# Altium PCB Weather_Station_ETH_HERMETIC.PcbDoc (part 1 of 5) (continued)
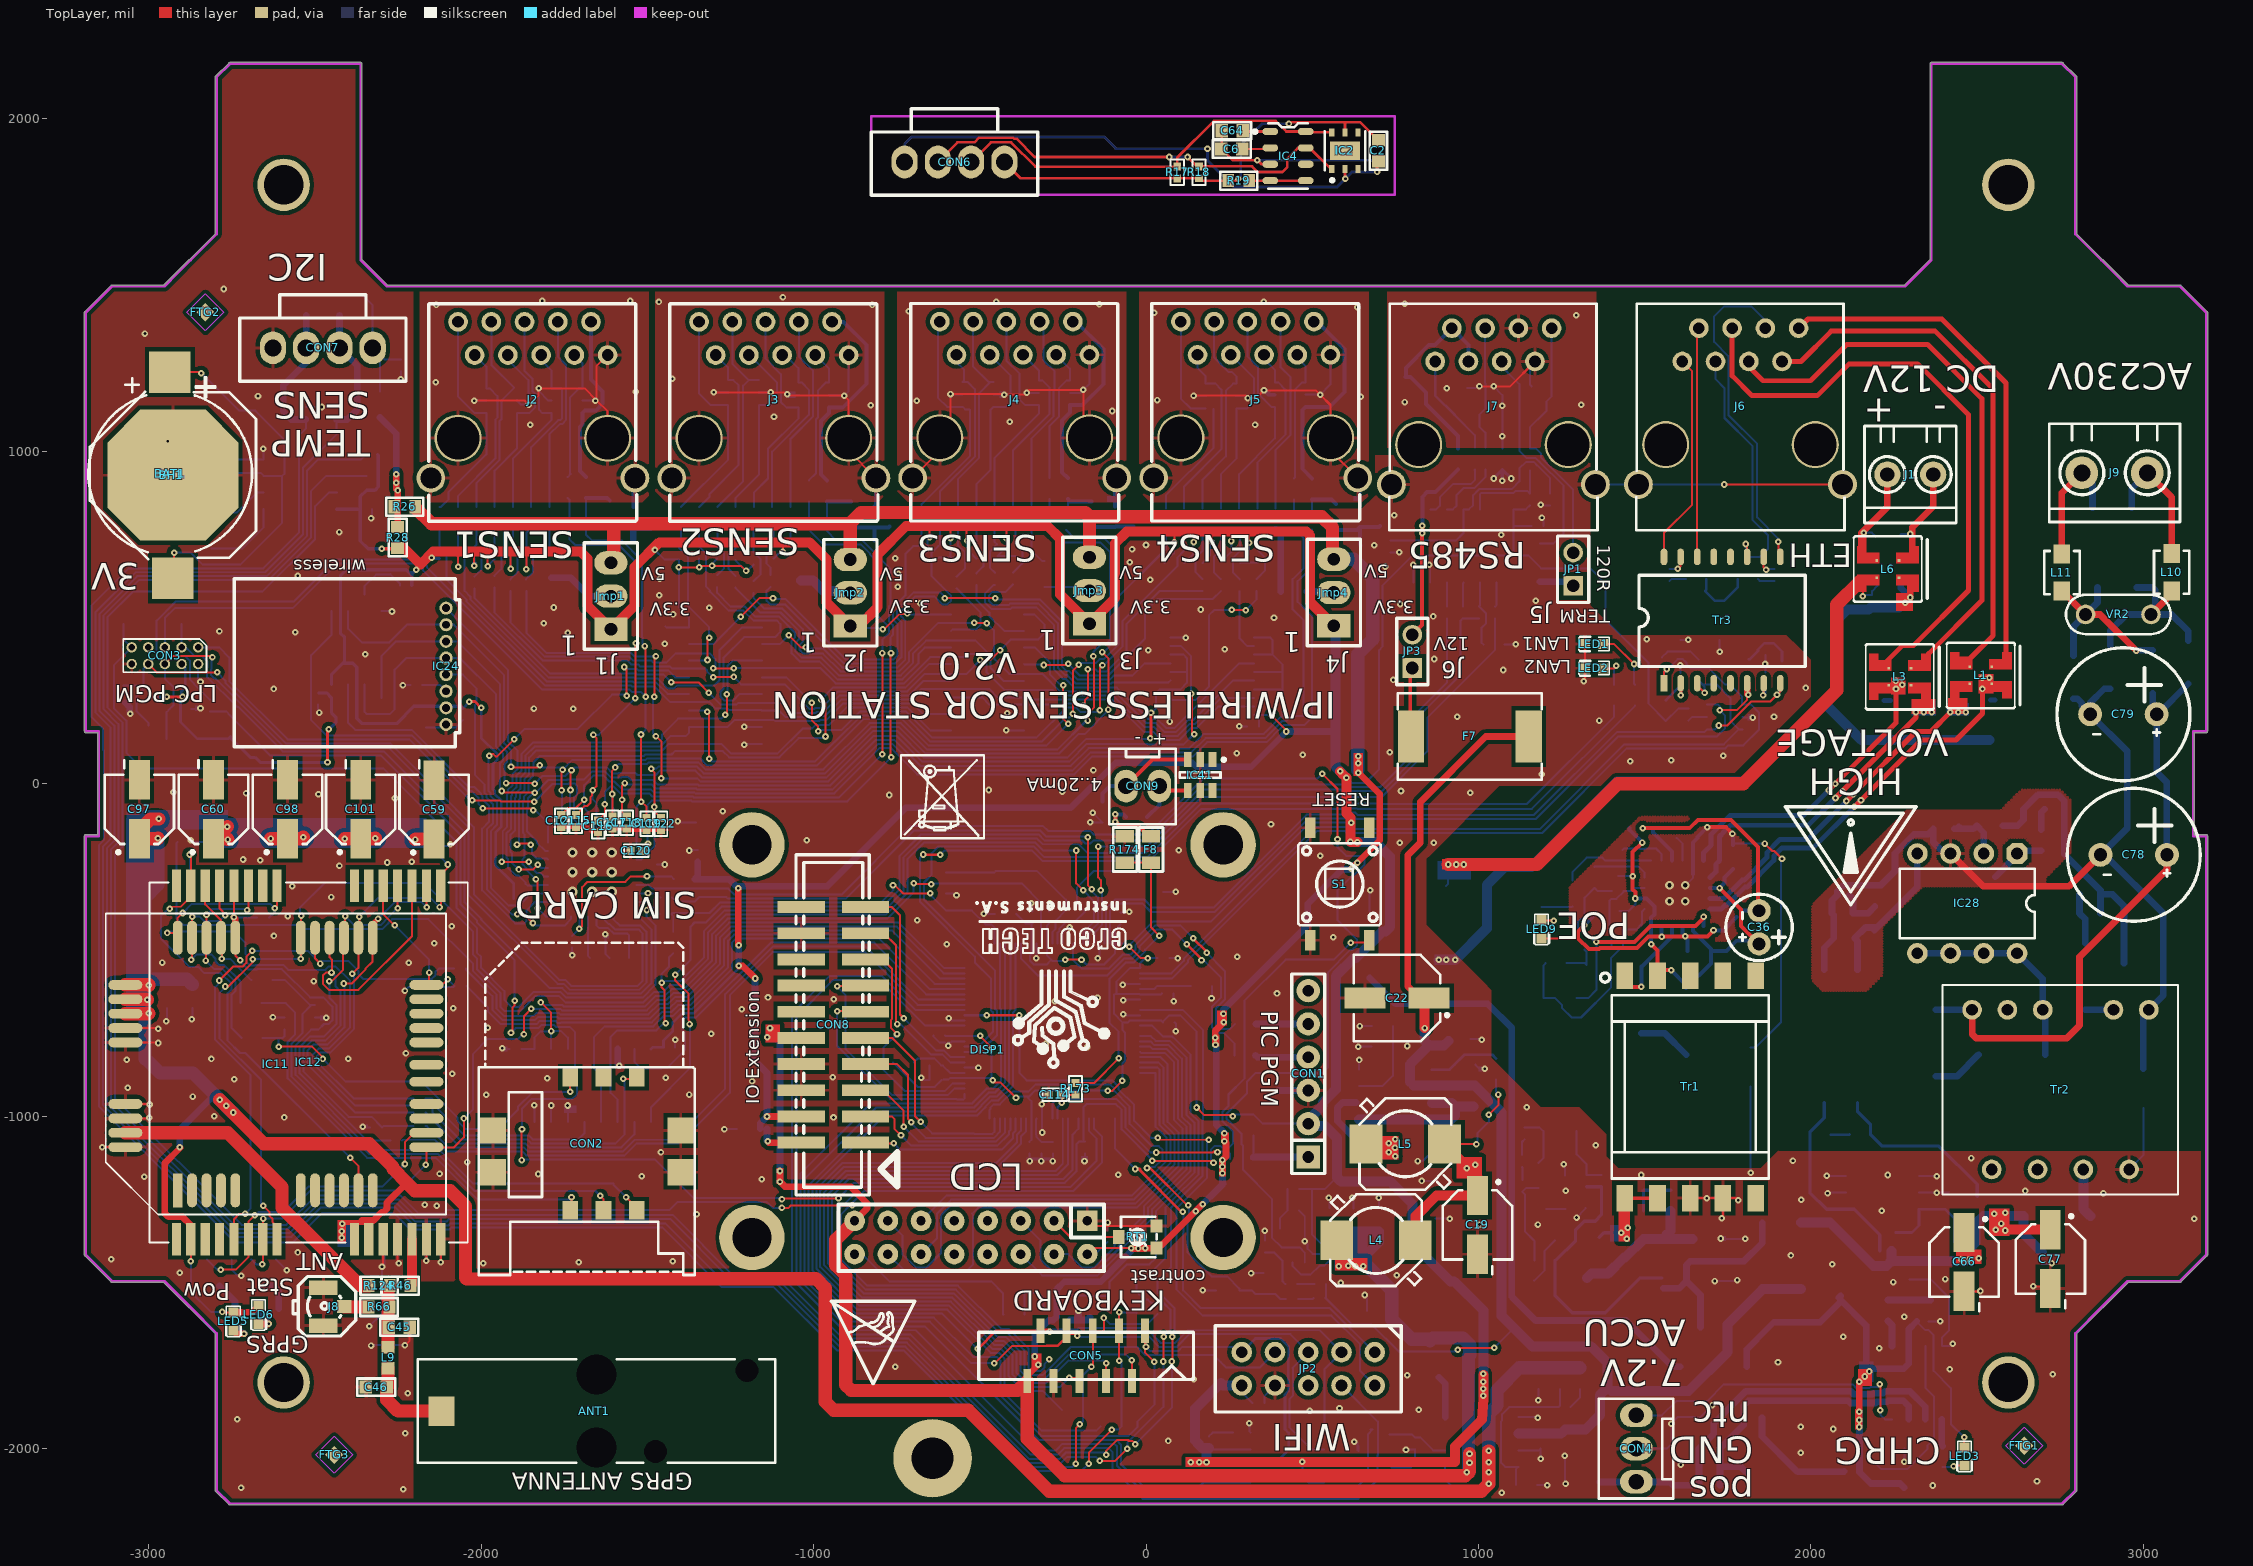
[diagram p0: TopLayer view]
## Components (designator, comment, footprint, x,y, rotation, side; value= is the part's Value field where it differs from the comment) (continued)
FB40 "100R/1A" 0603L 390,796.5 r270 bottom
FB41 "100R/1A" 0603L 445,886.5 r270 bottom
FB42 "100R/1A" 0603L 500,886.5 r270 bottom
FB43 "100R/1A" 0603L 643,803 r270 bottom
FB44 "100R/1A" 0603L 1072,976 r90 bottom
FB45 "100R/1A" 0603L 939,977 r90 bottom
FB46 "100R/1A" 0603L -28,-100 r180 bottom
FB47 "100R/1A" 0603L -131,-85 r270 bottom
FTG1 "Use only in PCB" FIDUCIAL_TOP_S100-200 2642,-1991 r90 top
FTG2 "Use only in PCB" FIDUCIAL_TOP_S100-200 -2829,1418 r90 top
FTG3 "Use only in PCB" FIDUCIAL_TOP_S100-200 -2442,-2019 r90 top
FTG4 "Use only in PCB" FIDUCIAL_TOP_S100-200 2629,-2004 r270 bottom
FTG5 "Use only in PCB" FIDUCIAL_TOP_S100-200 -2484,-2002 r270 bottom
FTG6 "Use only in PCB" FIDUCIAL_TOP_S100-200 -2671,1626 r270 bottom
IC1 "PIC18F97J60-I/PT" lqfp100_12x12mm -92.93,-1007.6 r270 bottom
IC2 "SHT25" SENSIRION_SHT2X 598.37,1903.88 r270 top
IC3 "S1117-3.3D" TO-252 665,-1586 r90 bottom
IC4 "MPL115A2" LGA8 427.15,1887.82 r0 top
IC5 "TLV431ASN1T1" SOT-23 1180,-1216 r90 bottom
IC6 "74HC4052D" SO-16 -1155,470 r180 bottom
IC7 "SN74HC244PWR" tssop20 73,206 r0 bottom
IC8 "74HC4052D" SO-16 -366.26,509.37 r180 bottom
IC9 "PESD3V3S4UD" SOT457 -1741.33,1152.01 r0 bottom
IC10 "PESD3V3S4UD" SOT457 -1938.18,1152.01 r0 bottom
IC11 "nm Quectel M95" "QUECTEL M95" -2617.24,-843.31 r90 top
IC12 "Quectel M72" "Quectel M72 GSM Module" -2518.9,-838.5 r270 top locked
IC13 "PESD3V3S4UD" SOT457 -999.36,1169.33 r0 bottom
IC14 "LPC1114FHN33" HVQFN33_QFN127P600-8N -1666,-266 r90 bottom
IC15 "SP3076EEN-L" SO-14 1105,605 r90 bottom
IC16 "EN25F16" SO-8 -2450,519 r270 bottom
IC17 "PESD3V3S4UD" SOT457 -1210.62,1176.73 r0 bottom
IC18 "PESD3V3S4UD" SOT457 -275,1175.87 r0 bottom
IC19 "nm EN25F16" SO-8L 261,-2102 r0 bottom
IC20 "EN25F16" SO-8 315,-2102 r0 bottom
IC21 "MCP79411-I/SN" SO-8 -2654.14,825.78 r0 bottom
IC22 "MCP6546RT-E/OT" SOT23-5 440,-1389 r90 bottom
IC23 "SM712" SOT-23 1003,1110 r180 bottom
IC24 "RFM70-D" RFM70-D -2105.32,178.1 r90 top locked
IC25 "SM712" SOT-23 1198,1115 r180 bottom
IC26 "nmEN25F16" SO-8L -2450,569.17 r270 bottom
IC27 "NCP3170ADR2G" so-8 1120,-1905 r180 bottom
IC28 "VIPER20ADIP-E" DIP-8 2620,-210 r270 top locked
IC29 "LTV817S-SMD" SOP_4 2140,-960 r90 bottom
IC30 "TL431D" SO-8 2105,-1280 r0 bottom
IC31 "PESD3V3S4UD" SOT457 -505,1170.87 r0 bottom
IC32 "PESD3V3S4UD" SOT457 433.74,1170 r0 bottom
IC33 "PESD3V3S4UD" SOT457 225.74,1166 r0 bottom
IC34 "SFH6106-4" SOP_4 1295,-1045 r90 bottom
IC35 "Si3402-A-GM" QFN20 1598.25,-329.57 r0 bottom
IC36 "PESD3V3S4UD" SOT457 -2545.74,-702.6 r0 bottom
IC37 "WWS05-4RUL" SOT23-6 1741,201 r180 bottom
IC38 "LTC4002ES8-8.4#PBF" SO-8 2244,-1692 r270 bottom
IC39 "PESD3V3S4UD" SOT457 -2481,1133 r180 bottom
IC40 "HC4053D" SO-16 -1489,-1018 r90 bottom
IC41 "PESD3V3S4UD" SOT457 163,26 r270 top
J1 "TB3502s" tbx3502s 2230,930 r0 top locked
J2 "TJACKP10P10C06Z" TJACKP10P10C06Z -2069.36,1039.33 r0 top locked
J3 "TJACKP10P10C06Z" TJACKP10P10C06Z -1344.36,1039.33 r0 top locked
J4 "TJACKP10P10C06Z" TJACKP10P10C06Z -620,1040 r0 top locked
J5 "TJACKP10P10C06Z" TJACKP10P10C06Z 105,1040 r0 top locked
J6 "TJACKP8P8CS06 or 95623-2881" ETH_VERT_95623-2881 1563.11,1020.08 r0 top locked
J7 "TJACKP8P8CS06 or 95623-2881" ETH_VERT_95623-2881 820,1020 r0 top locked
J8 "U.FL-R-SMT-1(10)" CON_UFL_HIROSE_RECEPTACLE -2475,-1630 r270 top locked
J9 "TB5002s" tb5002s 2815,935 r0 top locked
Jmp1 "JUMP3" jump3 -1609.36,464.33 r180 top locked
Jmp2 "JUMP3" jump3 -889.36,474.33 r180 top locked
Jmp3 "JUMP3" jump3 -170,480.87 r180 top locked
Jmp4 "JUMP3" jump3 565,475 r180 top locked
JP1 "1798942 (goldpin 2x 2.54)" jump 1285,595 r180 top locked
JP2 "PLD10S-2" HEADER5X2 688,-1710 r270 top locked
JP3 "1798942 (goldpin 2x 2.54)" jump 801,348 r180 top
L1 "DLW5BTN102SQ2" DLW5BT 2511.04,325.83 r270 top
L2 "DLCSN042C-4R7M" L_DLCSN042C 1324.59,-1512 r0 bottom
L3 "DLW5BTN102SQ2" DLW5BT 2267.57,321.43 r270 top
L4 "DLCSS075F-470M" choke_DLSD75 691.89,-1373 r180 top
L5 "DLCSS075F-470M" choke_DLSD75 780,-1084 r0 top
L6 "DLW5BTN102SQ2" DLW5BT 2231.54,645.59 r270 top locked
L7 "DLSCM0805-181M" DLSCM0805 1139,975 r90 bottom
L8 "DLSCM0805-181M" DLSCM0805 1005,978 r90 bottom
L9 "0R" INDC1608X100N -2280,-1726.5 r270 top
L10 "DLCF1210-470" DLCF1210 3085,636.1 r270 top
L11 "DLCF1210-470" DLCF1210 2755,635 r270 top
L12 "DLCSN042C-4R7M" L_DLCSN042C 880.59,-1785 r0 bottom
L13 "DLCSN042C-470M or SDE6603-470M" L_DLCSN042C 2029.41,-2070 r180 bottom
LED1 "LED0603-P-GYW120 or LGQ971" led_0603G 1320,420 r0 top
LED2 "LED0603-P-YW120 or LYQ971-Z" led_0603B 1320,347 r0 top
LED3 "LED0603-P-RW120 or LYN971-Z" led_0603R 2462,-2051 r90 top
LED5 "LED0603-P-GYW120 or LGQ971" led_0603G -2745,-1645 r90 top
LED6 "LED0603-P-GYW120 or LGQ971" led_0603G -2669,-1625 r90 top
LED9 "LED0603-P-RW120 or LYN971-Z" led_0603R 1190,-465 r90 top
Q1 "TSM2307CX" sot-23 2180,-2030 r270 bottom
Q2 "BSS138" SOT-23 -229,-1540 r270 bottom
Q3 "BSS138" SOT-23 -2692,-1431 r0 bottom
Q4 "BSS138" SOT-23 -2913,-175 r0 bottom
Q8 "BSS138" SOT-23 -2825,-1431 r0 bottom
R1 "11k" 0603R -2754,173 r270 bottom
R2 "11k" 0603R 225,-1771.5 r270 bottom
R3 "11k" 0603R 323,-1026.19 r90 bottom
R4 "49R9" 0603R 296,-1129 r0 bottom
R5 "4k7" 0402R -2327.19,925 r180 bottom
R6 "10k" 0402R 1370,-1195 r90 bottom
R7 "10k" 0402R 1417.28,-487 r180 bottom
R8 "10k" 0402R 522.28,-1547 r0 bottom
R9 "4k99" 0603R 354,-1503.5 r270 bottom
R10 "300R 1%" 0603R 1471,266 r270 bottom
R11 "49R9" 0603R 298,-817.69 r0 bottom
R12 "49R9" 0603R 299.5,-722.69 r0 bottom
R13 "10k" 0402R -2907.5,290 r180 bottom
R14 "120R" 1206R 1185,665 r270 bottom
R15 "10k" 0402R 735,713.5 r270 bottom
R16 "10k" 0402R 1155,855 r270 bottom
R17 "10k" 0402R 94,1838.49 r270 top
R18 "10k" 0402R 159,1839 r270 top
R19 "4k99" 0603R 279,1814 r180 top
R20 "33k" 0603R 1053,-858 r270 bottom
R21 "300R 1%" 0603R 1407,266 r270 bottom
R22 "0R" 0603R -28,-1560 r90 bottom
R23 "100R" 0402R 953,515.28 r90 bottom
R24 "1M" 0603R -215,-385 r0 bottom
R25 "100R" 0402R 1050,515 r90 bottom
R26 "nm" 0603R -2229.5,833 r0 top
R27 "11k" 0603R 959.49,-845 r0 bottom
R28 "0R" 0603R -2251,740.5 r270 top
R29 "4k7" 0402R -2328.69,990 r180 bottom
R30 "100R" 0402R -1734.36,782.05 r270 bottom
R31 "nm" 0603 1027,-1052 r180 bottom
R32 "100R" 0402R -1684.36,781.61 r270 bottom
R33 "30R" 0603R -2659.5,-590 r180 bottom
R34 "1R" 0603R 930,-940 r270 bottom
R35 "300R 1%" 0603R -2740,-1598.5 r270 bottom
R36 "300R 1%" 0603R -2640,-1579 r180 bottom
R37 "100R" 0402R 905,515.28 r90 bottom
R38 "10k" 0402R 1215,855 r90 bottom
R39 "2k26" 0603R 167.5,-608 r0 bottom
R40 "2k26" 0603R 2396,-2024 r90 bottom
R41 "49R9" 0603 1810.51,615 r0 bottom
R42 "1R" 0603R 985,-940 r270 bottom
R43 "4k7" 0402R 1632,208 r270 bottom
R44 "24k" 0805R 1283,-330 r90 bottom
R45 "24k" 0805R 1190,-410 r90 bottom
R46 "0R" 0603R -2243.5,-1510 r0 top
R47 "10k" 0402R -2226,596 r0 bottom
R48 "1k" 0402R -2185,-947 r180 bottom
R49 "1k" 0402R -2185,-989 r180 bottom
R50 "1k" 0402R -2255,-1073 r180 bottom
R51 "1k" 0402R -2063.72,-556 r180 bottom
R52 "1k" 0402R -2185,-1030 r180 bottom
R53 "1k" 0402R -2451.72,-298 r180 bottom
R54 "1k" 0402R -2062.28,-608 r180 bottom
R55 "4k7" 0402R -2315.72,-1034 r0 bottom
R56 "4k7" 0402R -2138,-611 r0 bottom
R57 "4k7" 0402R -2120,-205 r270 bottom
R58 "0R" 0603R 701,-1958 r0 bottom
R59 "10k" 0402R 809,-1984 r90 bottom
R60 "30k 1%" 0603R 1245,-1788.5 r90 bottom
R61 "4k99" 0603R 896,-2121 r0 bottom
R62 "1k" 0402R 1259,-1875 r180 bottom
R63 "7k5 1%" 0603R 1144,-2110 r180 bottom
R64 "30R" 0603R -2692,-660 r0 bottom
R65 "30R" 0603R -2688.5,-765 r0 bottom
R66 "0R" 0603R -2307,-1574 r180 top
R67 "100R" 0402R -1009.36,777.05 r270 bottom
R68 "100R" 0402R -959.36,777.05 r270 bottom
R69 "100R" 0402R -290,783.58 r270 bottom
R70 "100R" 0402R -240,780.87 r270 bottom
R71 "100R" 0402R 445,785 r270 bottom
R72 "1k8 1%" 0603R 2671,-77 r0 bottom
R73 "30R" 0603R 2839.37,-390 r180 bottom
R74 "1k5" 0805R 2500,-1280 r90 bottom
R75 "100R" 0402R 500,782.28 r270 bottom
R76 "10k" 0402R -1883.72,-346 r180 bottom
R77 "2k26" 0603R 2232,-1584.5 r270 bottom
R78 "10k" 0402R -1883.72,-301 r180 bottom
R79 "4k7" 0402R -2125,695 r90 bottom
R80 "4k7" 0402R -1405,692.28 r90 bottom
R81 "4k7" 0402R -678,697 r90 bottom
R82 "4k7" 0402R 55,682.28 r90 bottom
R83 "4k7" 0402R -2070,692.28 r90 bottom
R84 "4k7" 0402R -1345,695 r90 bottom
R85 "4k7" 0402R -624,697 r90 bottom
R86 "4k7" 0402R 115,682.28 r90 bottom
R87 "100R" 0402R -1912,597 r270 bottom
R88 "100R" 0402R -1180,592 r270 bottom
R89 "49R9" 0603R 1552,348.5 r270 bottom
R90 "49R9" 0603R 1662,341.5 r270 bottom
R91 "49R9" 0603R 1813,342.31 r270 bottom
R92 "49R9" 0603R 1913,337.31 r270 bottom
R93 "100R" 0402R -454,616 r270 bottom
R94 "49R9" 0603 1654.49,615 r180 bottom
R95 "100R" 0402R 282,597 r270 bottom
R96 "100R" 0402R -1865,597 r270 bottom
R97 "100R" 0402R -1129,610 r270 bottom
R98 "100R" 0402R -400,617 r270 bottom
R99 "100R" 0402R 333,598 r270 bottom
R100 "4k7" 0402R -2020,695 r90 bottom
R101 "100R" 0402R -2020,605 r270 bottom
R102 "4k7" 0402R -1290,695 r90 bottom
R103 "0R" 0603R 1047,418 r180 bottom
R104 "100R" 0402R -1290,610 r270 bottom
R105 "10k" 0402R -1443.28,-343 r180 bottom
R106 "10k" 0402R -1446.28,-392 r180 bottom
R107 "10k" 0402R -2815,235 r90 bottom
R108 "4k7" 0402R -565,697.72 r90 bottom
R109 "100R" 0402R -570,605 r270 bottom
R110 "4k7" 0402R 170,682.28 r90 bottom
R111 "30R" 0603R 1578,-1254 r270 bottom
R112 "100R" 0402R 170,597.72 r270 bottom
R113 "4k7" 0402R -1960,692.72 r90 bottom
R114 "100R" 0402R -1960,607.72 r270 bottom
R115 "nm" 0603R -105,-1933 r180 bottom
R116 "0R" 0603R 35,-1563 r90 bottom
R117 "4k7" 0402R -1235,690 r90 bottom
R118 "100R" 0402R -1235,607.72 r270 bottom
R119 "nm" 0603R -221,-1884 r180 bottom
R120 "4k7" 0402R -510,695 r90 bottom
R121 "100R" 0402R -510,615 r270 bottom
R122 "4k7" 0402R 225,685 r90 bottom
R123 "100R" 0402R 225,597.72 r270 bottom
R124 "0R" 0603R -2306.5,-1510 r180 top
R125 "10k" 0402R 436.72,-1505 r0 bottom
R126 "1R" 0603R 1695,-2110 r0 bottom
R127 "1R" 0603R 1695,-2055 r0 bottom
R128 "10k" 0402R 1415,-442 r180 bottom
R129 "10k" 0402R 1325,-1195 r90 bottom
R130 "10k" 0402R -3016,263.5 r90 bottom
R131 "1R" 0603R 1695,-2000 r0 bottom
R132 "49R9" 0603R -399,-1532 r180 bottom
R133 "49R9" 0603R -397.5,-1597 r180 bottom
R134 "11k" 0603R -168,-1573 r90 bottom
R135 "2k26" 0603R -2426,1440 r270 bottom
R136 "2k26" 0603R -2526,1440 r270 bottom
R137 "10k" 0402R -2418.72,184 r0 bottom
R138 "300R 1%" 0603R 1233.5,-540 r180 bottom
R139 "130k 1%" 0603R 1199.5,-1434 r0 bottom
R140 "2k0 1%" 0603R 1198.5,-1374 r0 bottom
R141 "10k" 0402R 1139,-1052 r90 bottom
R142 "10k" 0603R 1172,-1280 r180 bottom
R143 "30R" 0603R 1627.5,-163 r180 bottom
R144 "24k" 0805R 1419,-238 r90 bottom
R145 "3k3" 0603R 2192,-401 r270 bottom
R146 "6k8 1%" 0603R 2463.5,-1380 r180 bottom
R147 "300R 1%" 0603R 2147.5,-1055 r180 bottom
R148 "1k8 1%" 0603R 2415,-1260 r90 bottom
R149 "10k" 0402R 524.28,-1505 r0 bottom
R150 "nm" 0402R 1001,515.28 r90 bottom
R151 "4k7" 0402R 358,-1392.5 r270 bottom
R152 "nm" 0603R -1358,-386 r90 bottom
R153 "nm" 0603R -1422,-478 r90 bottom
R154 "10k" 0402R -1896.28,-798 r0 bottom
R155 "4k99" 0603R 1290,-1276 r180 bottom
R156 "10k" 0402R 439.28,-1550 r0 bottom
R157 "30R" 0603R 2839.5,-333 r180 bottom
R158 "300R 1%" 0603R 2028.5,-1056 r180 bottom
R159 "10k" 0402R -2899,-318 r0 bottom
R160 "10k" 0402R -1911,692 r90 bottom
R161 "6k8 1%" 0603R 2693,-170 r90 bottom
R162 "39R" 0805R 2538,-126 r0 bottom
R163 "10k" 0402R -2195,296.15 r0 bottom
R164 "10k" 0402R 443,-1219 r180 bottom
R165 "10k" 0402R 443,-1284 r180 bottom
R166 "10k" 0402R -1180,677 r90 bottom
R167 "10k" 0402R -448,702 r90 bottom
R168 "10k" 0402R 283,682 r90 bottom
R169 "10k" 0402R -1864,692 r90 bottom
R170 "10k" 0402R -1120,695 r90 bottom
R171 "10k" 0402R -393,702 r90 bottom
R172 "10k" 0402R 337,683 r90 bottom
R173 "10k" 0402R -212,-918 r270 top
R174 "150R 1%" 0805R -64,-198 r270 top
R175 "150R 1%" 0805R -1613,812 r270 bottom
R176 "150R 1%" 0805R -888,810 r270 bottom
R177 "150R 1%" 0805R -164,810 r270 bottom
R178 "150R 1%" 0805R 572,802 r270 bottom
RT1 "PVZ3A203A01B00" TRIMPOT_PVZ3A -25.09,-1363.46 r90 top
S1 "TACTD60H73R250" TACT-DQ62H73G160 583,-302 r90 top locked
TP1 "TP_nMCLR" TP_large 398,-1122.69 r180 bottom
TP2 "TP_3V3_ctrl" TP_large 398,-1027.69 r180 bottom
TP3 "TP_PB6" TP_large 403,-717.69 r180 bottom
TP4 "TP_PB7" TP_large 398,-818 r180 bottom
TP5 "TP_GND_ctrl" TP_large 398,-922.69 r180 bottom
TP10 "TP_PROG_TxD" TP_large -2901,480 r90 bottom
TP11 "TP_PROG_RxD" TP_large -3076,480 r90 bottom
TP12 "TP_RESETn" TP_large -2935,120 r90 bottom
TP13 "TP_BOOT_SEL" TP_large -3000,175 r90 bottom
TP14 "TP_3V3_meas" TP_large -2836,135 r90 bottom
TP15 "TP_GND_meas" TP_large -1354,-117 r90 bottom
Tr1 "FA2925-AL" Tr_FA2805 1636.82,-912 r270 top locked
Tr2 "74002" Tr_74002_MYRRA 2750.55,-920.16 r270 top locked
Tr3 "H1260NL" H1260NL 1558,302.31 r90 top locked
U3 "MC34063D" so-8 640,-1010 r0 bottom
VR2 "V07N391-F" Varistor_V07 3023,509 r180 top
X1 "QSD25M000A-TXC" HC-49SM -266.67,-262.6 r180 bottom
X2 "Q0M032D6-SMD" crystal_85SMX -2841,708 r180 bottom

## Footprints (in the part's own frame and the unit in brackets; to place one, negate y for a bottom-side part, rotate by r counter-clockwise, add the part's x,y. Pads: shape width x height; smd on the part's side, far side on the other; paste and mask are expansions set on the pad)
0402C [mm]
  rect 0.62x0.62 smd: 1(-0.45,0) 2(0.45,0)
  silkscreen extent -0.91,-0.46 0.91,0.46, body extent -0.52,-0.27 0.53,0.28, height 0.55
0402R [mm]
  rect 0.6x0.6 smd: 1(-0.45,0) 2(0.45,0)
  silkscreen extent -0.99,-0.5 0.97,0.5, body extent -0.52,-0.27 0.53,0.28, height 0.4
0603 [mm]
  rect 0.65x0.85 smd: 1(-0.775,0) 2(0.775,0)
  silkscreen extent -1.3,-0.61 1.27,0.61, body extent -0.87,-0.47 0.88,0.48, height 0.55
0603C [mm]
  rect 0.95x1 smd: 1(-0.8,0) 2(0.8,0)
  silkscreen extent -1.45,-0.66 1.45,0.66, body extent -0.87,-0.47 0.88,0.48, height 0.87
0603L [mm]
  rect 0.95x1 smd: 1(-0.8,0) 2(0.8,0)
  silkscreen extent -1.47,-0.71 1.47,0.71, body extent -0.87,-0.47 0.88,0.48, height 0.7
0603R [mm]
  rect 0.9x1 smd: 1(-0.8,0) 2(0.8,0)
  silkscreen extent -1.42,-0.69 1.42,0.69, body extent -0.87,-0.47 0.88,0.48, height 0.55
0805C [mm]
  rect 1.05x1.4 smd: 1(-0.9,0) 2(0.9,0)
  silkscreen extent -1.57,-0.84 1.57,0.84, body extent -1.05,-0.67 1.05,0.68, height 1.25
0805R [mm]
  rect 0.95x1.4 smd: 1(-1,0) 2(1,0)
  silkscreen extent -1.68,-0.89 1.68,0.91, body extent -1.1,-0.67 1.1,0.68, height 0.6
1206C [mm]
  rect 1.15x1.8 smd: 1(-1.475,0) 2(1.525,0)
  silkscreen extent -2.24,-1.09 2.29,1.09, body extent -1.7,-0.9 1.7,0.9, height 1.4
1206R [mm]
  rect 1.15x1.8 smd: 1(-1.45,0) 2(1.45,0)
  silkscreen extent -2.24,-1.09 2.24,1.09, body extent -1.67,-0.87 1.68,0.88, height 0.65
ANT27.3X7.9 [mm] "Snap-In Antenna, Body 27.3x7.9mm (LxW)"
  rect 2.25x2 smd: 1(0,-11.85)
  round 2.75 hole 3.05: MH1(-2.8,0) MH2(2.8,0)
  round 1.45 hole 1.75: MH3(3.1,4.5) MH4(-3.1,11.5)
  silkscreen extent -3.95,-13.65 3.95,13.65, body extent -3.95,-13.65 3.95,13.65, height 3.95
BHMT20S [mm]
  rect 0.9x3.61 smd: 1(-9,-2.45) 2(-9,2.45) 3(-7,-2.45) 4(-7,2.45) 5(-5,-2.45) 6(-5,2.45) 7(-3,-2.45) 8(-3,2.45) 9(-1,-2.45) 10(-1,2.45) 11(1,-2.45) 12(1,2.45) 13(3,-2.45) 14(3,2.45) 15(5,-2.45) 16(5,2.45) 17(7,-2.45) 18(7,2.45) 19(9,-2.45) 20(9,2.45)
  silkscreen extent -13,-4.9 13,2.85, body extent -13,-3.2 13,3.31, height 5.6
CAP_SMT_EL_5mm_C [mm]
  rect 3x1.6 smd: 1(-2.25,0) 2(2.25,0)
  silkscreen extent -3.4,-2.65 3.76,2.65, body extent -3.25,-2.75 3.25,2.75, height 5.7
CAP_SMT_EL_6.3mm_D [mm]
  rect 3.15x1.6 smd: 1(-2.45,0) 2(2.45,0)
  silkscreen extent -3.95,-3.3 3.3,3.3, body extent -3.9,-3.4 3.9,3.4, height 5.7
CERAMIC_RES_QDCV [mm] "SMD ceramic resonator"
  rect 0.9x3.1 smd: 1(-5,0) 2(-3.5,0) 3(-2,0)
  silkscreen extent -5.8,-1.9 -1.2,1.8
choke_DLSD75 [mm] "Maritex"
  rect 2.5x3 smd: 1(-3,0) 2(3,0)
  silkscreen extent -3.5,-3.5 3.5,3.5, body extent -3.43,-3.27 3.47,3.23, height 5
CON_2x5_MINI [mm] "1.27 dual goldpin"
  round 0.8 hole 0.5: 1(0,0) 2(0,1.27) 3(1.27,0) 4(1.27,1.27) 5(2.54,0) 6(2.54,1.27) 7(3.81,0) 8(3.81,1.27) 9(5.08,0) 10(5.08,1.27)
  silkscreen extent -0.64,-0.64 5.71,1.91, body extent -0.64,-0.64 5.71,1.91, height 0.7
CON_CARD-SIME6C10 [mm]
  rect 1.2x1.4 smd: C1(-3.81,5.08) C2(-1.27,5.08) C3(1.27,5.08) C4(-3.81,-5.08) C5(-1.27,-5.08) C6(1.27,-5.08)
  rect 2x2 smd: G1(7.175,2.184) G2(7.175,-1.016) G3(-7.175,2.184) G4(-7.175,-1.016)
  silkscreen extent -8.26,-15.37 8.25,10.03, body extent -8.1,-6.35 8.3,9.35, height 2.27
CON_UFL_HIROSE_RECEPTACLE [mm]
  rect 1x1.1 smd: 1(-1.45,1.6)
  rect 1.1x2.2 smd: 2(-2.9,0) 2a(0,0)
  silkscreen extent -3.75,-2.3 0.8,2.5, body extent -3,-1.45 0,1.65, height 1.25
CON_WF02S-LF [mm]
  oval 2.5x1.8 hole 1.2 paste-1: 1(0,0) 2(0,2.54)
  silkscreen extent -2.85,-1.27 2.92,3.81, body extent -2.9,-1.27 2.9,3.81, height 11.7
CON_WF03S-LF [mm]
  oval 2.5x1.8 hole 1.2 paste-1: 1(0,0) 2(0,2.54) 3(0,5.08)
  silkscreen extent -2.82,-1.27 2.87,6.35, body extent -2.85,-1.27 2.95,6.35, height 11.7
cr1220 [mil]
  silkscreen extent -236,-246 289,246, body extent -246,-246 246,246, height 79
CR1220_Keystone_3000 [mil]
  oct 393.7x393.7 smd paste-236.22: neg(0,0)
  rect 125x125 smd: pos1(310,0) pos2(-310,-9)
  silkscreen extent -291,-250 252,250, body extent -372,-256 372,250, height 125
crystal_85SMX [mm]
  rect 1.3x1.9 smd: 1(-0.762,0) 2(4.699,0) 3(4.699,3.175) 4(-0.762,3.175)
  silkscreen extent -2.01,-0.1 6.07,3.12, body extent -2,-0.4 6,3.4, height 2.55
DIP-8 [mil]
  oct 62x62 hole 35: 1(0,0)
  round 62 hole 35: 2(0,-100) 3(0,-200) 4(0,-300) 5(300,-300) 6(300,-200) 7(300,-100) 8(300,0)
  silkscreen extent 46,-353 254,53, body extent -5,-350 305,50, height 210
DLCF1210 [mm] "Precision Wire Wound Inductor, 2-Leads, Body 3,1x2,5mm, IPC Medium Density"
  rect 1.45x1.25 smd: 1(-1.425,0) 2(1.425,0)
  silkscreen extent -1.65,-1.35 1.65,1.35, body extent -1.65,-1.35 1.65,1.35, height 2.29
DLSCM0805 [mm] "common mode choke"
  rect 0.9x0.4 smd: 1(-0.85,0.4) 2(-0.85,-0.4) 3(0.85,-0.4) 4(0.85,0.4)
  silkscreen extent -1.12,-0.72 1.18,0.72, body extent -1.02,-0.67 1.03,0.67, height 1
DLW5BT [mm]
  rect 0.2x0.2 smd: 1(-0.65,0.85) 2(0.65,0.85) 3(0.65,-0.85) 4(-0.65,-0.85)
  TopLayer region: 1.75,2.35 0.45,2.35 0.45,0.65 1.25,0.65 1.25,1.65 1.75,1.65
  TopLayer region: -1.75,2.35 -0.45,2.35 -0.45,0.65 -1.25,0.65 -1.25,1.65 -1.75,1.65
  TopLayer region: 1.75,-2.35 0.45,-2.35 0.45,-0.65 1.25,-0.65 1.25,-1.65 1.75,-1.65
  TopLayer region: -1.75,-2.35 -0.45,-2.35 -0.45,-0.65 -1.25,-0.65 -1.25,-1.65 -1.75,-1.65
  silkscreen extent -2.5,-2.6 2.5,3, body extent -2.5,-2.5 2.5,2.5, height 2.35
DO-214AA/SMB [mm] "diode (Maritex)"
  rect 2x2 smd: A(-2.55,0) K(2.55,0)
  silkscreen extent -2.69,-1.93 2.72,1.96, body extent -2.67,-1.94 2.73,1.96, height 2.44
DO-214AC/SMA [mm]
  rect 2x1.5 smd: A(-2.55,0) K(2.55,0)
  silkscreen extent -2.44,-1.3 2.44,1.3, body extent -2.67,-1.4 2.83,1.4, height 2.3
ETH_VERT_95623-2881 [mm]
  round 1.5 hole 0.889: 1(1.27,6.35) 2(2.54,8.89) 3(3.81,6.35) 4(5.08,8.89) 5(6.35,6.35) 6(7.62,8.89) 7(8.89,6.35) 8(10.16,8.89)
  round 3.6 hole 3.25: 9(0,0) 9(11.43,0)
  round 2.2 hole 1.6: 9a(13.51,-3.05) 9b(-2.08,-3.05)
  silkscreen extent -2.24,-6.55 13.67,10.77, body extent -2.74,-6.52 14.16,10.78, height 16.52
FIDUCIAL_TOP_S100-200 [mm] "Scare Fiducial Target, Top Layer, 1.0mm, Top Sloder 2.0mm, Keepout =2.0mm"
  rect 1x1 smd rot 45 paste-0.51 mask+0.5: 1(0,0)
  TopLayer keep-out region: 1.414,0 0,-1.414 -1.414,0 0,1.414
H1260NL [mil]
  rect 50x20 smd: 1(0,0)
  oval 50x20 smd: 2(0,-50) 3(0,-100) 4(0,-150) 5(0,-200) 6(0,-250) 7(0,-300) 8(0,-350) 9(380,-350) 10(380,-300) 11(380,-250) 12(380,-200) 13(380,-150) 14(380,-100) 15(380,-50) 16(380,0)
  silkscreen extent 50,-425 325,75, body extent -10,-425 390,75, height 236
HC-49SM [mil]
  rect 180x39.37 smd: 1(185,0) 2(-185,0)
  silkscreen extent -260,-90 260,90, body extent -250,-94 250,94, height 63
HEADER5X2 [mil]
  round 62 hole 35: 1(0,0) 2(100,0) 3(0,-100) 4(100,-100) 5(0,-200) 6(100,-200) 7(0,-300) 8(100,-300) 9(0,-400) 10(100,-400)
  silkscreen extent -80,-480 180,80, body extent -68,-450 148,50, height 315
HVQFN33_QFN127P600-8N [mm]
  oval 0.95x0.35 smd: 1(-3.375,2.275) 2(-3.375,1.625) 3(-3.375,0.975) 4(-3.375,0.325) 5(-3.375,-0.325) 6(-3.375,-0.975) 7(-3.375,-1.625) 8(-3.375,-2.275) 17(3.375,-2.275) 18(3.375,-1.625) 19(3.375,-0.975) 20(3.375,-0.325) 21(3.375,0.325) 22(3.375,0.975) 23(3.375,1.625) 24(3.375,2.275)
  oval 0.35x0.95 smd: 9(-2.275,-3.375) 10(-1.625,-3.375) 11(-0.975,-3.375) 12(-0.325,-3.375) 13(0.325,-3.375) 14(0.975,-3.375) 15(1.625,-3.375) 16(2.275,-3.375) 25(2.275,3.375) 26(1.625,3.375) 27(0.975,3.375) 28(0.325,3.375) 29(-0.325,3.375) 30(-0.975,3.375) 31(-1.625,3.375) 32(-2.275,3.375)
  rect 4.9x4.9 smd: 33(0,0)
  silkscreen extent -4.6,-3.55 3.55,3.55, body extent -3.55,-3.55 3.55,3.55, height 1
INDC1608X100N [mm] "Chip Inductor, 2-Leads, EIA 0603, Metric 1608, Body 1.6x0.8mm, IPC Medium Density"
  rect 0.95x1 smd: 1(-0.8,0) 2(0.8,0)
  body extent -0.87,-0.47 0.88,0.48, height 1
jump [mm]
  rect 1.5x1.5 hole 0.965: 1(0,0)
  round 1.5 hole 0.965: 2(0,-2.54)
  silkscreen extent -1.2,-3.81 1.2,1.27, body extent -1.26,-3.84 1.19,1.24, height 8
jump3 [mil]
  rect 100x70 hole 38: 1(0,0)
  oval 100x70 hole 38: 2(0,-100) 3(0,-200)
  silkscreen extent -80,-260 80,60, body extent -48,-250 48,50, height 315
L_DLCSN042C [mm] "Choke Power CSN042C"
  rect 1.6x3 smd: 1(0,0) 2(5.7,0)
  silkscreen extent 0.97,-2.25 4.75,2.25, body extent -0.4,-2.19 6.2,2.26, height 2.92
LCMFD0802C6NBLWC [mm]
  round 5 hole 3: 0a(2,-3.4) 0b(38,-3.4) 0c(2,-33.4) 0d(38,-33.4)
  rect 1.575x1.575 hole 0.711: 1(12.38,-4.67)
  round 1.575 hole 0.711: 2(12.38,-2.13) 3(14.92,-4.67) 4(14.92,-2.13) 5(17.46,-4.67) 6(17.46,-2.13) 7(20,-4.67) 8(20,-2.13) 9(22.54,-4.67) 10(22.54,-2.13) 11(25.08,-4.67) 12(25.08,-2.13) 13(27.62,-4.67) 14(27.62,-2.13) 15(30.16,-4.67) 16(30.16,-2.13)
  silkscreen extent 11.08,-5.93 31.4,-0.85, body extent -0.01,-35.49 39.99,0.01, height 21
led_0603B [mil]
  rect 30x30 smd: A(55,0) K(0,0)
  silkscreen extent -19,-22 73,22, body extent -10,-15 65,15, height 28
led_0603G [mil]
  rect 30x30 smd: A(55,0) K(0,0)
  silkscreen extent -19,-22 73,22, body extent -10,-15 65,15, height 28
led_0603R [mil]
  rect 30x30 smd: A(55,0) K(0,0)
  silkscreen extent -19,-22 73,22, body extent -10,-15 65,15, height 28
LGA8 [mm]
  oval 1.2x0.55 smd: 1(-1.35,1.875) 2(-1.35,0.625) 3(-1.35,-0.625) 4(-1.35,-1.875) 5(1.35,-1.875) 6(1.35,-0.625) 7(1.35,0.625) 8(1.35,1.875)
  silkscreen extent -2.62,-2.5 1.5,2.5, body extent -1.5,-2.5 1.5,2.5, height 1.2
lqfp100_12x12mm [mm] "LQFP100_12X12MM"
  rect 1.5x0.2 smd: 1(0,0) 2(0,0.4) 3(0,0.8) 4(0,1.2) 5(0,1.6) 6(0,2) 7(0,2.4) 8(0,2.8) 9(0,3.2) 10(0,3.6) 11(0,4) 12(0,4.4) 13(0,4.8) 14(0,5.2) 15(0,5.6) 16(0,6) 17(0,6.4) 18(0,6.8) 19(0,7.2) 20(0,7.6) 21(0,8) 22(0,8.4) 23(0,8.8) 24(0,9.2) 25(0,9.6) 51(-13.4,9.6) 52(-13.4,9.2) 53(-13.4,8.8) 54(-13.4,8.4) 55(-13.4,8) 56(-13.4,7.6) 57(-13.4,7.2) 58(-13.4,6.8) 59(-13.4,6.4) 60(-13.4,6) 61(-13.4,5.6) 62(-13.4,5.2) 63(-13.4,4.8) 64(-13.4,4.4) 65(-13.4,4) 66(-13.4,3.6) 67(-13.4,3.2) 68(-13.4,2.8) 69(-13.4,2.4) 70(-13.4,2) 71(-13.4,1.6) 72(-13.4,1.2) 73(-13.4,0.8) 74(-13.4,0.4) 75(-13.4,0)
  rect 0.2x1.5 smd: 26(-1.9,11.5) 27(-2.3,11.5) 28(-2.7,11.5) 29(-3.1,11.5) 30(-3.5,11.5) 31(-3.9,11.5) 32(-4.3,11.5) 33(-4.7,11.5) 34(-5.1,11.5) 35(-5.5,11.5) 36(-5.9,11.5) 37(-6.3,11.5) 38(-6.7,11.5) 39(-7.1,11.5) 40(-7.5,11.5) 41(-7.9,11.5) 42(-8.3,11.5) 43(-8.7,11.5) 44(-9.1,11.5) 45(-9.5,11.5) 46(-9.9,11.5) 47(-10.3,11.5) 48(-10.7,11.5) 49(-11.1,11.5) 50(-11.5,11.5) 76(-11.5,-1.9) 77(-11.1,-1.9) 78(-10.7,-1.9) 79(-10.3,-1.9) 80(-9.9,-1.9) 81(-9.5,-1.9) 82(-9.1,-1.9) 83(-8.7,-1.9) 84(-8.3,-1.9) 85(-7.9,-1.9) 86(-7.5,-1.9) 87(-7.1,-1.9) 88(-6.7,-1.9) 89(-6.3,-1.9) 90(-5.9,-1.9) 91(-5.5,-1.9) 92(-5.1,-1.9) 93(-4.7,-1.9) 94(-4.3,-1.9) 95(-3.9,-1.9) 96(-3.5,-1.9) 97(-3.1,-1.9) 98(-2.7,-1.9) 99(-2.3,-1.9) 100(-1.9,-1.9)
  silkscreen extent -12.71,-1.2 -0.71,10.8, body extent -13.12,-1.6 -0.33,11.18, height 1.2
QFN20 [mm]
  oval 0.9x0.35 smd: 1(-2.5,1.2) 2(-2.5,0.4) 3(-2.5,-0.4) 4(-2.5,-1.2) 11(2.5,-1.2) 12(2.5,-0.4) 13(2.5,0.4) 14(2.5,1.2)
  oval 0.35x0.9 smd: 5(-2,-2.5) 6(-1.2,-2.5) 7(-0.4,-2.5) 8(0.4,-2.5) 9(1.2,-2.5) 10(2,-2.5) 15(2,2.5) 16(1.2,2.5) 17(0.4,2.5) 18(-0.4,2.5) 19(-1.2,2.5) 20(-2,2.5)
  rect 2.8x2.8 smd: 21(0,0)
  silkscreen extent -3.43,-2.5 2.5,2.5, body extent -2.5,-2.5 2.5,2.5, height 0.9
"Quectel M72 GSM Module" [mm] "Quectel M72 GSM Module"
  rect 2.5x0.7 smd: 1(-13.5,10.1) 2(-13.5,9) 3(-13.5,7.9) 4(-13.5,6.8) 5(-13.5,5.7) 6(-13.5,4.6) 7(-13.5,3.5) 8(-13.5,-2.4) 9(-13.5,-3.5) 10(-13.5,-4.6) 11(-13.5,-5.7) 12(-13.5,-6.8) 13(-13.5,-7.9) 14(-13.5,-9) 15(-13.5,-10.1) 16(13.5,-10.1) 17(13.5,-9) 18(13.5,-7.9) 19(13.5,-6.8) 20(13.5,-5.7) 21(13.5,-4.6) 22(13.5,-3.5) 23(13.5,-2.4) 24(13.5,3.5) 25(13.5,4.6) 26(13.5,5.7) 27(13.5,6.8) 28(13.5,7.9) 29(13.5,9) 30(13.5,10.1)
  silkscreen extent -13.75,-12.15 13.75,12.15, body extent -13.76,-12 13.76,12, height 3.6
"QUECTEL M95" [mm] "GSM Module"
  rect 2.6x0.75 smd: 1(-9.65,7.5)
  oval 2.6x0.75 smd: 2(-9.65,6.4) 3(-9.65,5.3) 4(-9.65,4.2) 5(-9.65,3.1) 6(-9.65,-1.9) 7(-9.65,-3) 8(-9.65,-4.1) 9(-9.65,-5.2) 10(-9.65,-6.3) 11(-9.65,-7.4) 21(9.65,-7.4) 22(9.65,-6.3) 23(9.65,-5.2) 24(9.65,-4.1) 25(9.65,-3) 26(9.65,-1.9) 27(9.65,3.1) 28(9.65,4.2) 29(9.65,5.3) 30(9.65,6.4) 31(9.65,7.5)
  oval 0.75x2.6 smd: 12(-6.35,-11.5) 13(-5.25,-11.5) 14(-4.15,-11.5) 15(-3.05,-11.5) 16(1.65,-11.5) 17(2.75,-11.5) 18(3.85,-11.5) 19(4.95,-11.5) 20(6.05,-11.5) 32(6.05,11.5) 33(4.95,11.5) 34(3.85,11.5) 35(2.75,11.5) 36(1.65,11.5) 37(-3.05,11.5) 38(-4.15,11.5) 39(-5.25,11.5) 40(-6.35,11.5) ""(-1.35,-11.5) ""(-0.05,-11.5)
  silkscreen extent -11.5,-13 11.5,13
RB.1/.2 [mil] "(D x L x F): 5x11x2.5mm, d=0.45mm."
  round 70 hole 38: 1(0,0) 2(-100,0)
  silkscreen extent -150,-100 50,100, body extent -149,-98 48,98, height 429
RB.2/.4 [mil] "(D x L x F): 10x16x5.0mm, d=0.6mm."
  round 72 hole 40: 1(100,0) 2(-100,0)
  silkscreen extent -200,-200 200,200, body extent -195,-199 199,193, height 492
RFM70-D [mm]
  round 1 hole 0.6: 1(0,0) 2(1.27,0) 3(2.54,0) 4(3.81,0) 5(5.08,0) 6(6.35,0) 7(7.62,0) 8(8.89,0)
  silkscreen extent -1.7,-1.04 11.13,16.19, body extent -1.75,-1.04 11.18,16.26, height 4
SENSIRION_SHT2X [mm] "SON, 1.00mm, Pitch; 6 Pin, 3.00mm W X 3.00mm L X 1.20mm H body (W/Thermal Tab 1.40 X 2.3mm), SEMIRION DFN"
  rect 0.6x0.4 smd: 1(1.4,-1) 2(1.4,0) 3(1.4,1) 4(-1.4,1) 5(-1.4,0) 6(-1.4,-1)
  rect 1.4x2.3 smd: 7(0,0)
  silkscreen extent -1.5,-1.55 2.37,1.55, body extent -1.5,-1.5 1.5,1.5, height 1.05
SFW10S-2STE9LF [mm]
  rect 0.6x1.85 smd: 1(-4.5,-1.925) 2(-3.5,1.925) 3(-2.5,-1.925) 4(-1.5,1.925) 5(-0.5,-1.925) 6(0.5,1.925) 7(1.5,-1.925) 8(2.5,1.925) 9(3.5,-1.925) 10(4.5,1.925)
  silkscreen extent -8.2,-1.8 8.2,1.8, body extent -8.2,-2.26 8.2,2.24, height 5.25
SIP6 [mil]
  rect 70x70 hole 35.43: 1(0,0)
  round 70 hole 35.43: 2(0,100) 3(0,200) 4(0,300) 5(0,400) 6(0,500)
  silkscreen extent -50,-50 50,550, body extent -48,-50 48,550, height 315
SMD150-2 [mm]
  rect 2x4 smd: 1(-4.5,0) 2(4.5,0)
  silkscreen extent -4.67,-3.3 4.72,3.3, body extent -4.67,-3.33 4.73,3.38, height 3
SO-8 [mil]
  oval 80x24 smd: 1(0,0) 2(0,-50) 3(0,-100) 4(0,-150) 5(220,-150) 6(220,-100) 7(220,-50) 8(220,0)
  silkscreen extent 60,-175 160,25, body extent -14,-173 230,24, height 69
so-8 [mil]
  oval 80x24 smd: 1(0,0) 2(0,-50) 3(0,-100) 4(0,-150) 5(220,-150) 6(220,-100) 7(220,-50) 8(220,0)
  silkscreen extent 60,-175 160,25, body extent -14,-173 230,24, height 69
SO-8L [mil]
  oval 80x24 smd: 1(0,0) 2(0,-50) 3(0,-100) 4(0,-150) 5(311.02,-150) 6(311.02,-100) 7(311.02,-50) 8(311.02,0)
  silkscreen extent 60,-175 255,25, body extent -6,-179 323,26, height 130
SO-14 [mil]
  oval 80x24 smd: 1(0,0) 2(0,-50) 3(0,-100) 4(0,-150) 5(0,-200) 6(0,-250) 7(0,-300) 8(220,-300) 9(220,-250) 10(220,-200) 11(220,-150) 12(220,-100) 13(220,-50) 14(220,0)
  silkscreen extent 60,-325 160,25, body extent -12,-322 232,22, height 69
SO-16 [mil]
  oval 80x24 smd: 1(0,0) 2(0,-50) 3(0,-100) 4(0,-150) 5(0,-200) 6(0,-250) 7(0,-300) 8(0,-350) 9(220,-350) 10(220,-300) 11(220,-250) 12(220,-200) 13(220,-150) 14(220,-100) 15(220,-50) 16(220,0)
  silkscreen extent 60,-375 160,25, body extent -16,-372 228,22, height 69
SOD-123 [mm] "Small Outline Diode Flat Lead (SOD-123FL), Body; 2.70mm L X 1.65mm W X 1.0mm H"
  rect 0.91x1.22 smd: A(1.64,0) K(-1.64,0)
  silkscreen extent -2.02,-0.9 1.45,1.28, body extent -1.75,-0.9 1.75,0.9, height 1
SOP_4 [mm]
  rect 2.5x1.2 smd: 1(0,0)
  oval 2.5x1.2 smd: 2(0,-2.54) 3(10.16,-2.54) 4(10.16,0)
  silkscreen extent 1.84,-3.81 8.32,1.27, body extent 0.07,-3.74 10.09,1.09, height 4.06
SOT23-5 [mil]
  rect 39x19.68 smd: 1(-51,37.5) 2(-51,0) 3(-51,-37.5) 4(51,-37.5) 5(51,37.5)
  silkscreen extent -21,-55 19,58, body extent -57,-59 56,60, height 48
SOT23-6 [mm]
  rect 1.05x0.6 smd: 1(-1.35,0.95) 2(-1.35,0) 3(-1.35,-0.95) 4(1.35,-0.95) 5(1.35,0) 6(1.35,0.95)
  silkscreen extent -1.78,-1.55 0.45,1.92, body extent -1.4,-1.5 1.4,1.5, height 1.45
SOT457 [mm] "SOT23, 6-Leads, Body 3.1x3.0mm (max), Pitch 0.95mm, IPC Medium Density"
  rect 1.15x0.6 smd: 1(-1.175,0.95) 2(-1.175,0) 3(-1.175,-0.95) 4(1.175,-0.95) 5(1.175,0) 6(1.175,0.95)
  silkscreen extent -1.3,-1.55 0.2,1.92, body extent -1.43,-1.5 1.37,1.5, height 1.45
SOT-23 [mil]
  rect 36x36 smd: 1(0,0) 2(75,0)
  rect 36x50 smd: 3(38,80)
  silkscreen extent -20,-5 95,85, body extent -21,-5 97,93, height 47
sot-23 [mil]
  rect 36x36 smd: 1(0,0) 2(75,0)
  rect 36x50 smd: 3(38,80)
  silkscreen extent -20,-5 95,85, body extent -21,-5 97,93, height 47
TACT-DQ62H73G160 [mm] "tact switch SMT (Maritex)"
  rect 1.58x0.8 smd: 1(-4.296,2.261) 1(4.304,2.261) 2(-4.296,-2.239) 2(4.304,-2.239)
  silkscreen extent -3.15,-3.12 3.12,3.18, body extent -5,-3 5,3, height 7.1
tb5002s [mm] "2x terminal block (16A,250V) 5mm (maritex)"
  round 2.5 hole 1.3: 1(0,0) 2(5,0)
  silkscreen extent -2.5,-3.75 7.5,3.75, body extent -2.55,-5.2 8.35,4.6, height 14.2
tbx3502s [mm] "2x terminal blocks 3.5mm, 9A, 130V (Maritex)"
  round 2 hole 1.1: 1(0,0) 2(3.5,0)
  silkscreen extent -1.75,-3.7 5.25,3.7, body extent -1.97,-3.66 5.53,3.64, height 8.5
TJACKP10P10C06Z [mm]
  round 1.5 hole 0.889: 1(0,8.89) 2(1.27,6.35) 3(2.54,8.89) 4(3.81,6.35) 5(5.08,8.89) 6(6.35,6.35) 7(7.62,8.89) 8(8.89,6.35) 9(10.16,8.89) 10(11.43,6.35)
  round 3.6 hole 3.25: 11(0,0) 11a(11.43,0)
  round 2.2 hole 1.6: 12(-2.08,-3.05) 12a(13.51,-3.05)
  silkscreen extent -2.24,-6.35 13.67,10.28, body extent -3.32,-6.54 14.72,9.34, height 12.72
TO-252 [mil]
  rect 45x85 smd: 1(0,0) 3(179,0)
  rect 225x265 smd: 2(89,251)
  silkscreen extent -41,106 219,396, body extent -42,-25 223,379, height 94
TP_large [mm]
  round 2 smd: 1(0,0)
Tr_74002_MYRRA [mm]
  round 1.5 hole 0.9: 1(-6.1,6.75) 2(-6.1,4.05) 4(-6.1,-1.35) 5(-6.1,-4.05) 6(-6.1,-6.75) 7(6.1,-5.25) 8(6.1,-1.75) 9(6.1,1.75) 10(6.1,5.25)
  silkscreen extent -8,-9 8,9, body extent -8,-9 8,9, height 17.5
Tr_FA2805 [mm]
  rect 2.03x1.27 smd paste+0: 1(-8.5,-5) 2(-8.5,-2.5) 3(-8.5,0) 4(-8.5,2.5) 5(-8.5,5) 6(8.5,5) 7(8.5,2.5) 8(8.5,0) 9(8.5,-2.5) 10(8.5,-5)
  silkscreen extent -8.71,-6.85 7,6, body extent -9.15,-6 9.15,6, height 12.7
TRIMPOT_PVZ3A [mm] "carbon trimpot (Murata)"
  rect 1x0.9 smd: 1(-0.85,-1.45) 3(0.85,-1.45)
  rect 1.1x0.9 smd: 2(0,1.45)
  silkscreen extent -1.55,-1.45 1.55,1.28, body extent -1.06,-1.48 1.04,1.22, height 0.8